# Altium PCB PCB1.PcbDoc (part 1 of 2)
Units mm, origin at the board's own origin, x right, y up, seen from the top; angles counter-clockwise.
Board outline 100 x 60 mm, 2 copper layers (Top Layer, Bottom Layer), stack 1.271 mm thick; 133 components, 105 nets, 458 pads, 250 vias.
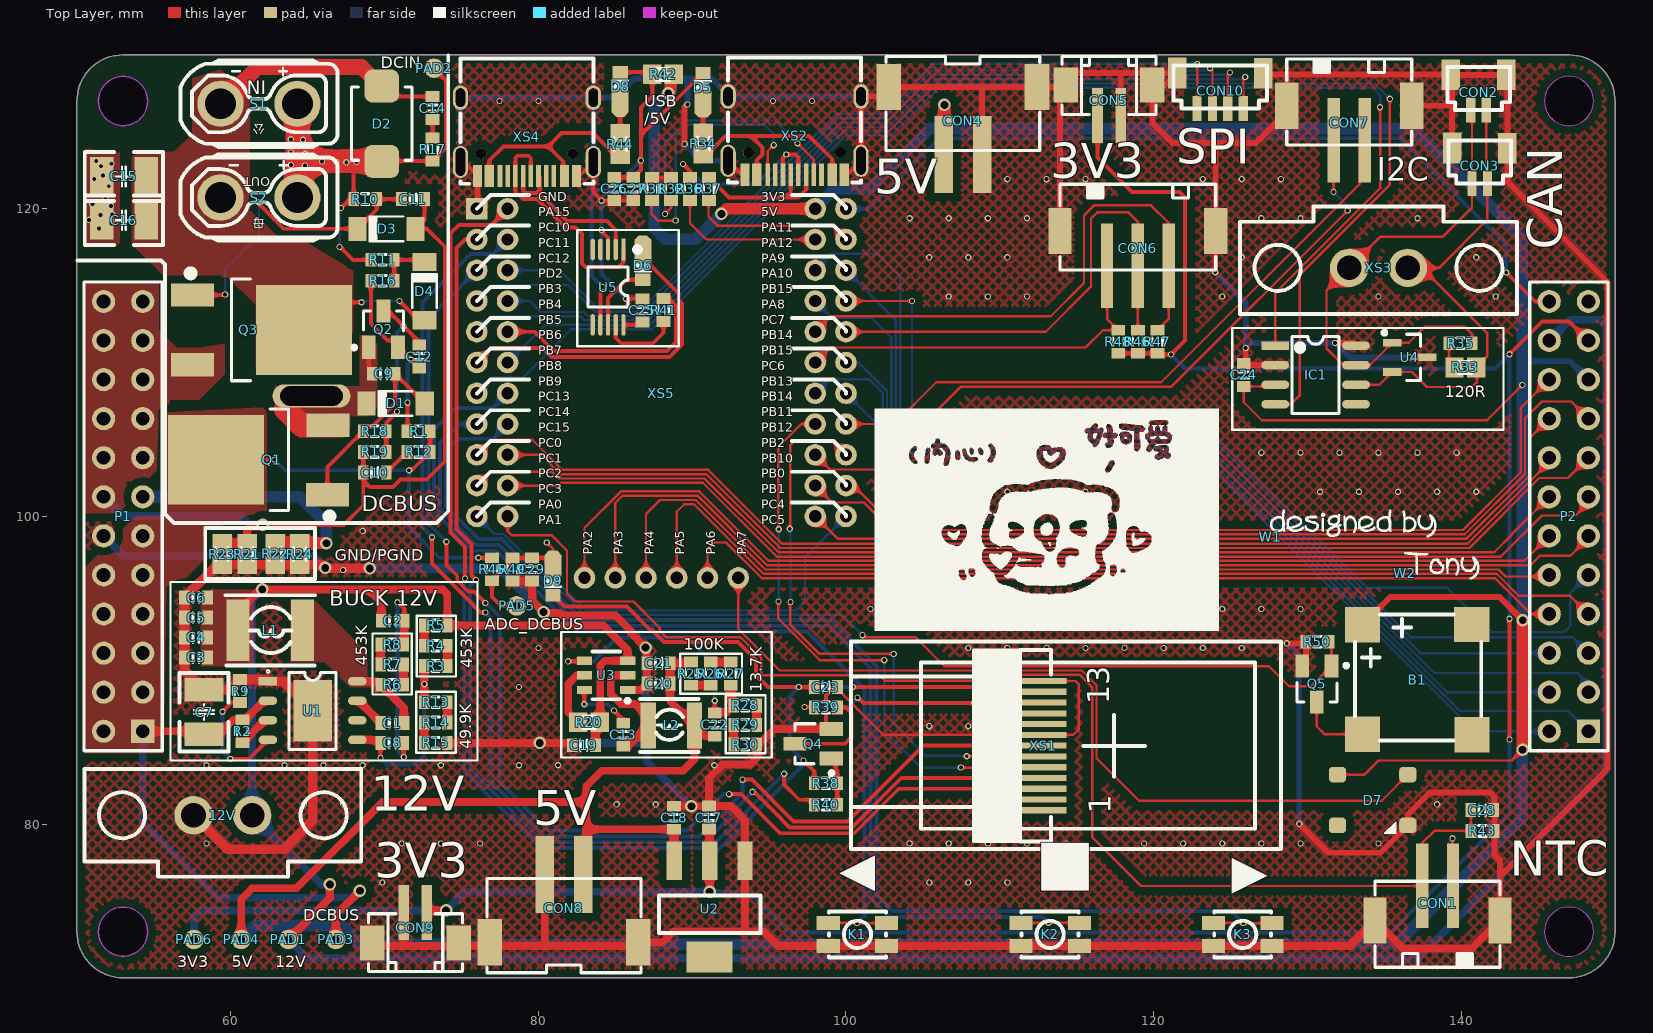
[diagram p0: Top Layer view]
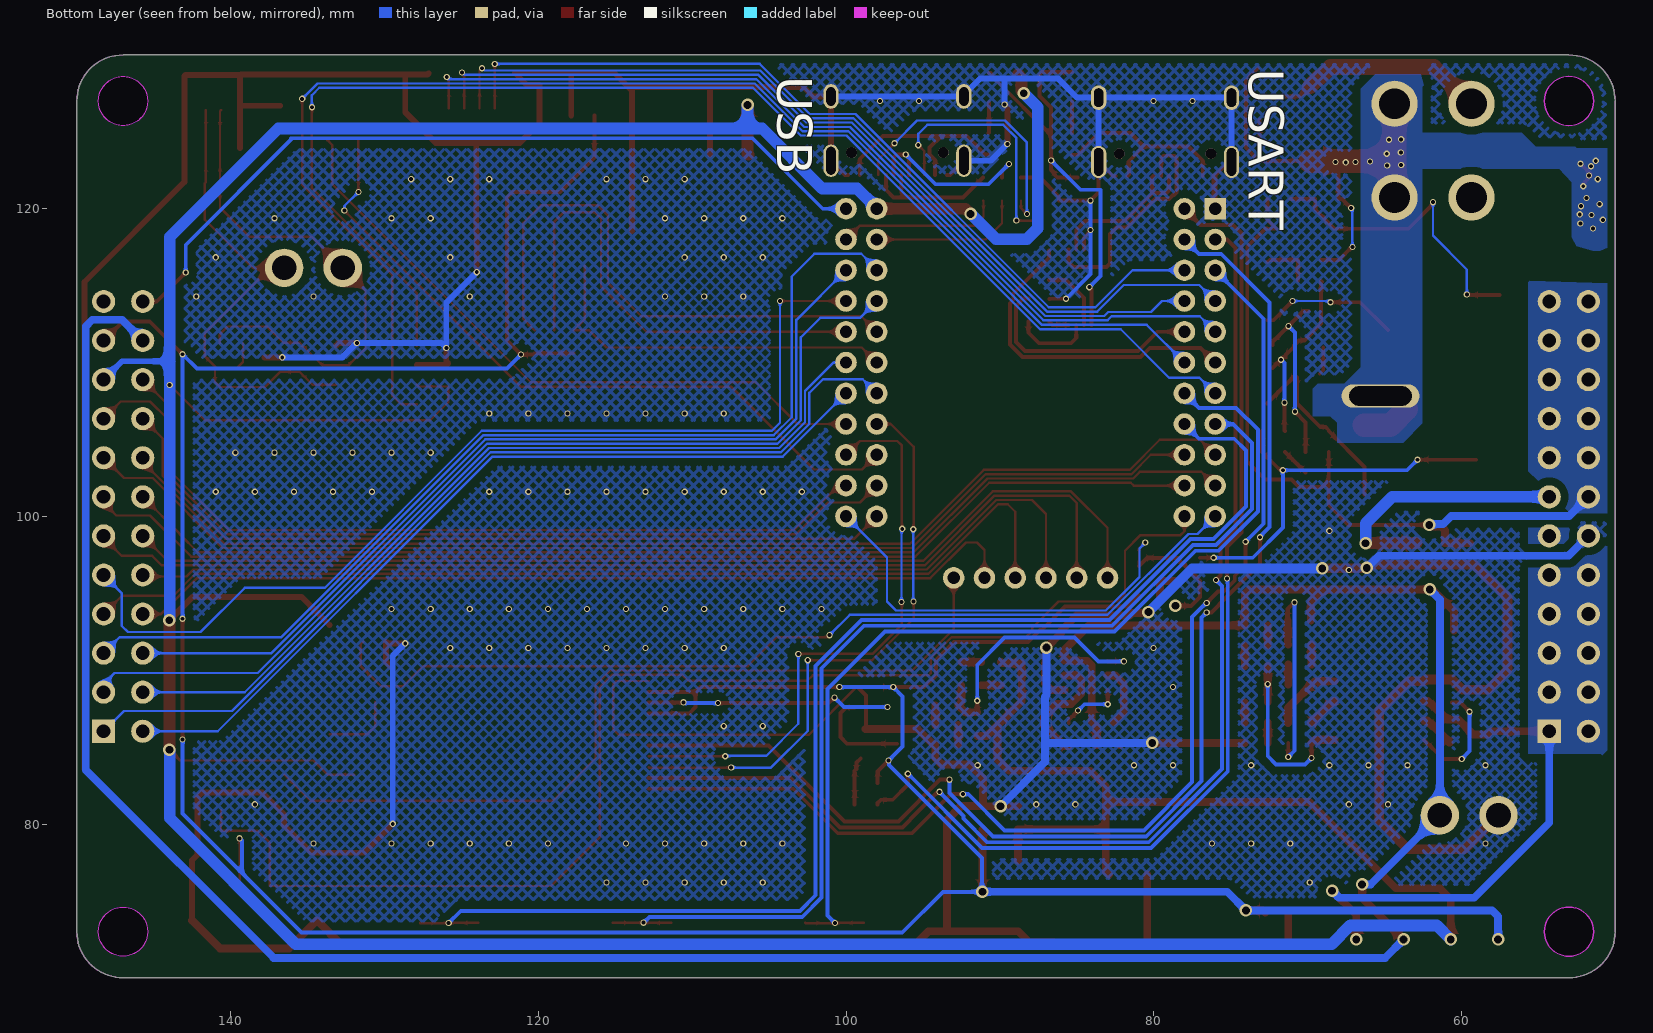
[diagram p1: Bottom Layer view, seen from below]

## Layer stack, top to bottom
Top Solder: solder mask 0.0102, Solder Resist, Dk 3.5
Top Layer: signal copper 0.0356
Dielectric 1: dielectric 1.2, FR-4, Dk 4.8
Bottom Layer: signal copper 0.0356
Bottom Solder: solder mask 0.0102, Solder Resist, Dk 3.5

## Board outline
50,73 50,127 cw(c53,127) 53,130 147,130 cw(c147,127) 150,127 150,73 cw(c147,73) 147,70 53,70 cw(c53,73)
cut-out: 145.4,73 ccw(c147,73) 147,71.4 ccw(c147,73) 148.6,73 ccw(c147,73) 147,74.6 ccw(c147,73)
cut-out: 145.4,127 ccw(c147,127) 147,125.4 ccw(c147,127) 148.6,127 ccw(c147,127) 147,128.6 ccw(c147,127)
cut-out: 53,71.4 cw(c53,73) 51.4,73 cw(c53,73) 53,74.6 cw(c53,73) 54.6,73 cw(c53,73)
cut-out: 53,125.4 cw(c53,127) 51.4,127 cw(c53,127) 53,128.6 cw(c53,127) 54.6,127 cw(c53,127)

## Design rules (kind name [scope] priority, off if disabled: settings)
Clearance Polygon [InPolygon] p1: gap=0.508 ignorepadtopadclearanceinfootprint=TRUE
Clearance [All] p2: gap=0.127 ignorepadtopadclearanceinfootprint=TRUE
ComponentClearance [All] p1: gap=0.254 collisioncheckmode=3 verticalgap=-0.508 showdistances=FALSE
PlaneConnect [All] p1: planeconnectstyle=Direct reliefexpansion=0.508 reliefentries=4 reliefconductorwidth=0.254 reliefairgap=0.254
PolygonConnect [All] p1: connectstyle=Direct reliefconductorwidth=0.254 reliefentries=4 polygonreliefangle="90 Angle" airgapwidth=0.254
RoutingVias [All] p1: holewidth=0.254 width=0.406 viastyle="Through Hole" minholewidth=0.254 minwidth=0.406 maxholewidth=0.711 maxwidth=1.27
SolderMaskExpansion [All] p1: expansion=0.102 istentingtop=FALSE
Width [All] p1: maxlimit=2.54 minlimit=0.102 preferedwidth=0.381
28 further rules are at their usual default settings.

## Components (designator, comment, footprint, x,y, rotation, side; value= is the part's Value field where it differs from the comment)
12V "HDR-1X2" 15EDGVM-2P 59.487,80.569 r180 top
B1 "MLT_8530" BEEP-8530 136.474,89.611 r0 top locked
C1 "2.2nF" CAP_0603 70.51,86.182 r180 top
C2 "3.3nF" CAP_0603 70.536,93.599 r0 top
C3 "106" CAP_0603 57.746,90.449 r180 top
C4 "106" CAP_0603 57.746,91.745 r180 top
C5 "106" CAP_0603 57.746,93.04 r180 top
C6 "106" CAP_0603 57.746,94.336 r180 top
C7 "1210-10uF" CAP_1210_L 58.268,87.274 r270 top
C8 "56pF" CAP_0603 70.497,84.887 r180 top
C9 "104" CAP_0603 69.952,108.89 r180 top
C10 "103" CAP_0603 69.367,103.226 r0 top
C11 "104" CAP_0603 71.857,120.244 r180 top
C12 "104" CAP_0603 72.641,110.388 r270 top
C13 "103" CAP_0603 85.903,85.801 r270 top
C14 "103" CAP_0603 73.508,126.543 r270 top
C15 "1210-10uF" CAP_1210_L 53.061,122.098 r180 top
C16 "1210-10uF" CAP_1210_L 53.061,119.253 r180 top
C17 "22uF" CAP_0603 91.465,80.416 r270 top
C18 "106" CAP_0603 89.205,80.404 r270 top
C19 "106" CAP_0603 82.956,85.496 r0 top
C20 "22uF" CAP_0603 87.821,88.748 r180 top
C21 "22uF" CAP_0603 87.821,90.068 r180 top
C22 "47pF" CAP_0603 91.846,86.462 r270 top
C23 "104" CAP_0603 98.691,88.519 r180 top
C24 "104" CAP_0603 125.476,109.195 r90 top
C25 "104" CAP_0603 86.385,113.386 r90 top
C26 "104" CAP_0603 84.557,121.285 r90 top
C27 "106" CAP_0603 85.786,121.285 r90 top
C28 "102" CAP_0603 141.363,80.518 r180 top
C29 "102" CAP_0603 79.197,96.545 r90 top
CON1 "NTC0" PH2.0-LS-2P 138.455,73.482 r180 top
CON2 "SH1.0_2" "SH1.0 LS 2P" 141.122,126.416 r0 top
CON3 "SH1.0_2" "SH1.0 LS 2P" 141.199,121.641 r0 top
CON4 "5V" XH2.54-LS-2P 107.594,126.898 r0 top
CON5 "3V3" ZH1.5-LS-2P 117.094,128.041 r0 top
CON6 "ENCODER" PH2.0-LS-3P 118.974,118.796 r0 top
CON7 "IIC" PH2.0-LS-2P 132.715,126.949 r0 top
CON8 "5V" XH2.54-LS-2P 81.661,73.33 r180 top
CON9 "3V3" ZH1.5-LS-2P 72.009,72.263 r180 top
CON10 "SPI" "SH1.0 LS 4P" 123.325,126.517 r0 top
D1 "ZMM12V" LL-34 72.619,107.34 r0 top
D2 "SMBJ28CA" SMB(DO-211AA) 69.825,125.527 r270 top
D3 "ZMM12V" LL-34 72.022,118.694 r0 top
D4 "ZMM33V" LL-34 72.593,112.751 r270 top
D5 "ss14" SOD-323 90.703,128.824 r270 top
D6 "ss14" SOD-323 86.792,115.372 r90 top
D7 "RGB" LED_5050_WS2812B 134.239,81.559 r0 top
D8 "ss14" SOD-323 85.319,128.875 r270 top
D9 "ss14" SOD-323 80.95,94.869 r90 top
IC1 "TJA1050-CAN1" SOP8_N 130.531,109.195 r0 top
K1 "TS1185/EC" TS-1185EC-X-X-X 100.762,72.847 r0 top
K2 "TS1185/EC" TS-1185EC-X-X-X 113.284,72.847 r0 top
K3 "TS1185/EC" TS-1185EC-X-X-X 125.806,72.847 r0 top
L1 "68uH" NR4030 64.677,92.583 r180 top
L2 "10uH" NR3015 90.147,86.411 r180 top
P1 "Header 12X2" HDR2X12 54.28,86.03 r90 top
P2 "Header 12X2" HDR2X12 148.26,86.03 r90 top
PAD1 "12V" PAD-1 63.754,72.492 r90 top
PAD2 "DCBUS_IN" PAD-1 73.203,129.134 r90 top
PAD3 "DCBUS" PAD-1 66.827,72.492 r90 top
PAD4 "5V" PAD-1 60.681,72.492 r90 top
PAD5 "ADC-DCBUS" PAD-1 78.588,94.183 r90 top
PAD6 "3V3" PAD-1 57.607,72.492 r90 top
Q1 "NCE60P50K" TO252-2 63.246,103.683 r90 top
Q2 "FMMT593" SOT23 69.926,112.166 r0 top
Q3 "NCE6080K" TO252-2 60.57,112.116 r270 top locked
Q4 "SS8050" SOT23 97.866,85.217 r90 top
Q5 "SS8050" SOT23 130.607,89.103 r180 top
R1 "1.5M" RES_0603 72.212,105.156 r180 top
R2 "100K" RES_0603 60.376,86.03 r90 top
R3 "453K/3" RES_0603 73.33,90.642 r0 top
R4 "453k/3" RES_0603 73.33,91.206 r180 top
R5 "453K/3" RES_0603 73.33,93.294 r0 top
R6 "453K/3" RES_0603 70.497,88.671 r180 top
R7 "453K/3" RES_0603 70.497,90.754 r0 top
R8 "453K/3" RES_0603 70.497,91.288 r180 top
R9 "100K" RES_0603 60.223,88.646 r90 top
R10 "100K" RES_0603 68.744,120.244 r180 top
R11 "100K" RES_0603 69.875,116.297 r180 top
R12 "22R" RES_0603 72.212,104.572 r0 top
R13 "49.9K/3" RES_0603 73.33,87.539 r180 top
R14 "49.9K/3" RES_0603 73.33,86.975 r0 top
R15 "49.9K/3" RES_0603 73.33,84.887 r180 top
R16 "1K" RES_0603 69.875,115.697 r0 top
R17 "22R" RES_0603 73.508,123.85 r270 top
R18 "1K" RES_0603 69.367,105.156 r180 top
R19 "1K" RES_0603 69.367,104.572 r0 top
R20 "0R" RES_0805-SHORT 83.287,86.614 r0 top
R21 "0R" RES_0805-SHORT 61.062,97.547 r270 top
R22 "0R" RES_0805-SHORT 62.89,97.561 r90 top
R23 "0R" RES_0805-SHORT 59.436,97.547 r270 top
R24 "0R" RES_0805-SHORT 64.491,97.547 r90 top
R25 "100K/3" RES_0603 89.535,89.776 r90 top
R26 "100K/3" RES_0603 91.592,89.776 r270 top
R27 "100K/3" RES_0603 92.126,89.776 r90 top
R28 "13.7K/3" RES_0603 93.447,87.325 r180 top
R29 "13.7K/3" RES_0603 93.447,86.817 r0 top
R30 "13.7K/3" RES_0603 93.447,84.785 r180 top
R31 "5K1" RES_0603 87.015,121.285 r90 top
R32 "5K1" RES_0603 88.245,121.285 r90 top
R33 "0R" RES_0805-SHORT 140.259,109.677 r0 top
R34 "0R" RES_0805-SHORT 90.729,124.231 r90 top
R35 "120R" RES_0603 139.954,111.633 r0 top
R36 "22R" RES_0603 89.474,121.285 r90 top
R37 "22R" RES_0603 90.703,121.285 r90 top
R38 "10K" RES_0603 98.691,83.033 r0 top
R39 "10" RES_0603 98.691,87.96 r0 top
R40 "1K" RES_0603 98.691,80.874 r180 top
R41 "330R" RES_0603 87.757,113.411 r90 top
R42 "0R" RES_0805-SHORT 88.113,128.727 r180 top
R43 "10K" RES_0603 141.376,79.934 r0 top
R44 "0R" RES_0805-SHORT 85.319,124.206 r90 top
R45 "30K" RES_0603 76.606,96.559 r90 top
R46 "10K" RES_0603 118.593,111.354 r90 top
R47 "10K" RES_0603 119.863,111.354 r90 top
R48 "10K" RES_0603 117.323,111.354 r90 top
R49 "2K" RES_0603 77.927,96.545 r90 top
R50 "10K" RES_0603 130.644,92.227 r0 top
S1 "XT30UPB" XT30UPB-M 64.338,126.822 r270 top
S2 "XT30UPB" XT30UPB-F 64.084,120.98 r270 top
U1 "LM5164" SOP-8 62.429,89.281 r0 top
U2 "AMS1117-3V3" SOT223 91.135,71.36 r180 top
U3 "TPS54302" SOT23-6 85.801,88.712 r180 top
U4 "PESD1CAN" SOT23-3 135.509,111.288 r90 top
U5 "CH340E" MSOP10 85.515,117.361 r270 top
W1 "设计于" "designed by（430-70）" 127.584,98.679 r0 top
W2 "Tony" Tony_2(200-70) 136.322,96.317 r0 top
XS1 "0.96lcd-13p-160X80" "LCD 0.96-13p" 112.827,80.893 r0 top
XS2 "USB-Type-C" TypeC-304-16BCP 92.335,123.117 r180 top
XS3 "HDR-1X2" 15EDGVM-2P 134.62,116.154 r0 top
XS4 "CH340-Type-C" TypeC-304-16BCP 74.936,123.041 r180 top locked
XS5 "STM32F405RGT6 V1_1 座子" "STM32F405RGT6 V1_1座子" 88,112.5 r0 top locked

## Footprints (in the part's own frame and the unit in brackets; to place one, negate y for a bottom-side part, rotate by r counter-clockwise, add the part's x,y. Pads: shape width x height; smd on the part's side, far side on the other; paste and mask are expansions set on the pad)
15EDGVM-2P [mm] "螺丝紧固端子，间距3.81mm"
  round 2.5 hole 1.6: 1(-1.905,0) 2(1.905,0)
  silkscreen extent -9,-3 9,4, body extent -9,-2.88 9,4.12, height 9.2
BEEP-8530 [mm]
  rect 2.3x2.3 smd: 0(4.194,3.358) 0(4.224,-3.803) 1(-2.895,3.332) 2(-2.897,-3.77)
  silkscreen extent -3.38,-4.19 4.82,4.01, body extent -3.54,-4.35 4.96,4.15, height 3
CAP_0603 [mm]
  rect 0.7x0.9 smd: 1(-0.75,-0.381) 2(0.75,-0.381)
  silkscreen extent -0.2,-0.71 0.2,-0.05, body extent -0.8,-0.78 0.8,0.02, height 0.8
CAP_1210_L [mm] "无极性贴片电容"
  rect 1.524x2.54 smd: 1(-1.45,0) 2(1.45,0)
  silkscreen extent -2.55,-1.6 2.55,1.6, body extent -1.6,-1.29 1.6,1.29, height 1.54
"designed by（430-70）" [mm]
  silkscreen extent 0,0 10.79,1.75
HDR2X12 [mm] "Connector; Header; 12x2 Position"
  rect 1.5x1.5 hole 0.9: 1(0,0)
  round 1.5 hole 0.9: 2(0,2.54) 3(2.54,0) 4(2.54,2.54) 5(5.08,0) 6(5.08,2.54) 7(7.62,0) 8(7.62,2.54) 9(10.16,0) 10(10.16,2.54) 11(12.7,0) 12(12.7,2.54) 13(15.24,0) 14(15.24,2.54) 15(17.78,0) 16(17.78,2.54) 17(20.32,0) 18(20.32,2.54) 19(22.86,0) 20(22.86,2.54) 21(25.4,0) 22(25.4,2.54) 23(27.94,0) 24(27.94,2.54)
  silkscreen extent -1.27,-1.27 29.21,3.81
"LCD 0.96-13p" [mm]
  rect 3x0.4 smd paste+0 mask+0.102: 1(0,0) 2(0,0.7) 3(0,1.4) 4(0,2.1) 5(0,2.8) 6(0,3.5) 7(0,4.2) 8(0,4.9) 9(0,5.6) 10(0,6.3) 11(0,7) 12(0,7.7) 13(0,8.4)
  silkscreen extent -12.5,-2.53 15.45,10.97, body extent -12.55,-2.53 15.45,10.97, height 1.5
LED_5050_WS2812B [mil]
  rrect50% 44x40 smd: 1(-90,65) 2(-90,-65) 3(90,-65) 4(90,65)
  silkscreen extent 30,-85 60,-55, body extent -106,-98 106,98, height 31
LL-34 [mm]
  rect 1.185x1.566 smd: 1(0,0) 2(-3.785,0)
  silkscreen extent -2.99,-0.8 -0.8,0.8, body extent -3.76,-0.8 -0.06,0.8, height 1.6
MSOP10 [mm]
  rect 1.4x0.28 smd: 1(0.013,0.016)
  oval 1.4x0.28 smd: 2(0.013,-0.484) 3(0.013,-0.984) 4(0.013,-1.484) 5(0.013,-1.984) 6(4.913,-1.984) 7(4.913,-1.484) 8(4.913,-0.984) 9(4.913,-0.484) 10(4.913,0.016)
  silkscreen extent -0.14,-2.28 3.76,1.09, body extent 0.01,-2.48 4.91,0.52, height 0.95
NR3015 [mm] "3.2*3.2*1.5mm"
  rect 1x3 smd: 1(0,0) 2(3,0)
  silkscreen extent -0.28,-1.73 3.53,1.73, body extent -0.01,-1.51 3.02,1.51, height 1.5
NR4030 [mm] "4.3*4.3*3.0mm"
  rect 1.5x4 smd: 1(0,0) 2(4.2,0)
  silkscreen extent -0.81,-2.29 5,2.29, body extent -0.09,-2.1 4.21,2.2, height 3
PAD-1 [mm] "50mil单点焊盘"
  round 1.27 smd: 1(0,0)
PH2.0-LS-2P [mm] "长：8mm，宽：5.5mm，高：6.1mm"
  rect 1.5x3 smd: 0(-4.064,-0.254) 0(4.064,-0.254)
  rect 0.8x5.5 smd: 1(-1,-2.492) 2(1,-2.492)
  silkscreen extent -4.06,-2.79 4.06,2.79, body extent -4,-5.05 4,2.75, height 6.15
PH2.0-LS-3P [mm] "长：10mm，宽：5.5mm，高：6.1mm"
  rect 1.5x3 smd: 0(-5.064,-0.254) 0(5.064,-0.254)
  rect 0.8x5.5 smd: 1(-2,-2.492) 2(0,-2.492) 3(2,-2.492)
  silkscreen extent -5.06,-2.79 5.06,2.79, body extent -5,-5.05 5,2.75, height 6.15
RES_0603 [mm]
  rect 0.7x0.9 smd: 1(-0.75,-0.381) 2(0.75,-0.381)
  silkscreen extent -0.25,-0.73 0.25,-0.03, body extent -0.8,-0.78 0.8,0.02, height 0.45
RES_0805-SHORT [mm]
  rect 1.2x1.27 smd: 1(-0.7,0) 2(0.7,0)
  silkscreen extent -0.43,-0.4 0.43,0.4, body extent -0.98,-0.62 1.02,0.62, height 0.37
"SH1.0 LS 2P" [mm] "SH1.0 接插件 立式"
  rect 1.2x2 smd: 0(-1.8,2.3) 0(1.8,2.286)
  rect 0.6x1.6 smd: 1(-0.5,0) 2(0.5,0)
  silkscreen extent -2.03,0 2.03,2.79, body extent -2,-0.51 2,3.09, height 4.25
"SH1.0 LS 4P" [mm] "SH1.0 接插件 立式"
  rect 1.2x2 smd: 0(-1.8,2.3) 0(3.8,2.286)
  rect 0.6x1.6 smd: 1(-0.5,0) 2(0.5,0) 3(1.5,0) 4(2.5,0)
  silkscreen extent -2.03,0 4.03,2.79, body extent -2.01,-0.5 3.99,3.1, height 4.25
SMB(DO-211AA) [mm]
  rrect50% 2.16x2.26 smd paste+0 mask+0: 1(-2.45,0) 2(2.45,0)
  silkscreen extent -2.37,-1.97 2.37,1.97, body extent -2.7,-1.81 2.7,1.81, height 2.62
SOD-323 [mm] "1.8x1.3X0.9mm（长宽高，不包括引脚）"
  oct 2x1.1 smd: 1(1.9,0)
  rect 0.8x1 smd: 2(0,0)
  silkscreen extent 0.55,-0.51 0.95,0.51, body extent -0.15,-0.67 2.5,0.62, height 1
SOP8_N [mm] "5*6*1.8mm（长宽高）"
  rect 1.8x0.55 smd: 1(-2.625,1.905)
  oval 1.8x0.55 smd: 2(-2.625,0.635) 3(-2.625,-0.635) 4(-2.625,-1.905) 5(2.625,-1.905) 6(2.625,-0.635) 7(2.625,0.635) 8(2.625,1.905)
  silkscreen extent -1.52,-2.5 1.52,2.5, body extent -3,-2.5 3,2.5, height 1.9
SOP-8 [mm]
  rect 1.2x0.55 smd: 1(-0.009,0)
  oval 1.2x0.55 smd: 2(-0.009,-1.27) 3(-0.009,-2.54) 4(-0.009,-3.81) 5(5.8,-3.81) 6(5.8,-2.54) 7(5.8,-1.27) 8(5.8,0)
  rect 2.5x4 smd: 9(2.9,-1.905)
  silkscreen extent -0.1,-4.44 4.42,0.73, body extent -0.1,-4.41 5.9,0.59, height 1.9
SOT23 [mm]
  rect 0.9x1.5 smd: 1(-0.95,-1.175) 2(0.95,-1.175) 3(0,1.175)
  silkscreen extent -2.03,-1.32 1.3,1.18, body extent -1.55,-1.2 1.45,1.3, height 1.05
SOT23-3 [mm]
  rect 0.5x1.2 smd: 1(0,0) 2(-1.9,0) 3(-0.95,-2.286)
  silkscreen extent -2.45,-1.84 0.77,0.63, body extent -2.45,-2.34 0.55,0.06, height 1.05
SOT23-6 [mm]
  rect 1x0.55 smd: 1(0,0) 2(0,-0.95) 3(0,-1.9) 4(2.8,-1.9) 5(2.8,-0.95) 6(2.8,0)
  silkscreen extent -0.12,-2.5 2.3,0.83, body extent 0.13,-2.36 2.55,0.43, height 1.09
SOT223 [mm]
  rect 1x2.5 smd: 1(-2.3,-6.262) 2(0,-6.262) 3(2.3,-6.262)
  rect 3x2 smd: ""(0,0)
  silkscreen extent -3.3,-3.99 3.3,-1.55, body extent -3.25,-6.53 3.25,0.43, height 1.7
"STM32F405RGT6 V1_1座子" [mm] "PH2.0 版本"
  rect 1.4x1.4 hole 0.8: 1(-12,7.5)
  round 1.4 hole 0.8: 2(-10,7.5) 3(-12,5.5) 4(-10,5.5) 5(-12,3.5) 6(-10,3.5) 7(-12,1.5) 8(-10,1.5) 9(-12,-0.5) 10(-10,-0.5) 11(-12,-2.5) 12(-10,-2.5) 13(-12,-4.5) 14(-10,-4.5) 15(-12,-6.5) 16(-10,-6.5) 17(-12,-8.5) 18(-10,-8.5) 19(-12,-10.5) 20(-10,-10.5) 21(-12,-12.5) 22(-10,-12.5) 23(-5,-16.5) 24(-3,-16.5) 25(-1,-16.5) 26(1,-16.5) 27(3,-16.5) 28(5,-16.5) 29(12,-12.5) 30(10,-12.5) 31(12,-10.5) 32(10,-10.5) 33(12,-8.5) 34(10,-8.5) 35(12,-6.5) 36(10,-6.5) 37(12,-4.5) 38(10,-4.5) 39(12,-2.5) 40(10,-2.5) 41(12,-0.5) 42(10,-0.5) 43(12,1.5) 44(10,1.5) 45(12,3.5) 46(10,3.5) 47(12,5.5) 48(10,5.5) 49(12,7.5) 50(10,7.5)
  silkscreen extent -12,-12.5 12,8.4, body extent -13.3,-17.8 13.2,8.5, height 4.3
TO252-2 [mil] "252晶体管"
  rect 60x110 smd: 1(-89.55,-119.77) 3(88.45,-120.77)
  rect 230x245 smd: 2(0,165.35)
  silkscreen extent -153,-133 130,28, body extent -128,-120 128,251, height 91
Tony_2(200-70) [mm]
  silkscreen extent -0.03,-0.38 4.85,1.35
TS-1185EC-X-X-X [mm] "3*4*2 4PIN立贴按键"
  rect 1.5x0.9 smd: 1(-1.917,0.726) 1(1.883,0.726) 2(-1.917,-0.774) 2(1.883,-0.774)
  silkscreen extent -1.87,-1.52 1.83,1.48, body extent -2.36,-1.57 2.29,1.43, height 2
TypeC-304-16BCP [mm]
  oval 1x2.1 hole 0.6 slot 1.8 at 90 deg: 13(-8.64,0) 14(0,0)
  oval 1x1.6 hole 0.6 slot 1.2 at 90 deg: 15(-8.64,-4.18) 16(0,-4.18)
  rect 0.6x1.45 smd: A1B12(-7.545,0.915) A4B9(-6.77,0.915) B1A12(-1.1,0.915) B4A9(-1.87,0.915)
  rect 0.3x1.45 smd: A5(-5.57,0.914) A6(-4.57,0.915) A7(-4.07,0.915) A8(-3.07,0.915) B5(-2.57,0.915) B6(-3.57,0.915) B7(-5.07,0.915) B8(-6.07,0.915)
  round 0.7 hole 0.7 unplated: ""(-7.3,-0.53) ""(-1.34,-0.53)
  silkscreen extent -8.64,-6.71 0,1.42, body extent -8.77,-6.9 0.17,1, height 3.11
XH2.54-LS-2P [mm] "长：10mm，宽：6mm，高：8.3mm    淘宝ID:黄晶宝石   店铺网址:https://shop463601444.taobao.com"
  rect 1.6x3 smd: 0(-4.826,1.016) 0(4.826,1.016)
  rect 1.2x5 smd: 1(-1.25,-3.383) 2(1.25,-3.383)
  silkscreen extent -5,-3.13 5,3, body extent -5,-6 5,3, height 8
XT30UPB-F [mm] "电源输出"
  round 3 hole 2: 1(0.254,0.254) 2(0.254,-4.746)
  silkscreen extent -2.55,-7.35 3.05,2.85, body extent -2.31,-7.41 2.89,2.79, height 9.6
XT30UPB-M [mm] "电源输入"
  round 3 hole 2: 1(0,0) 2(0,-5)
  silkscreen extent -2.8,-7.6 2.8,2.6, body extent -2.71,-7.71 2.59,2.69, height 12.6
ZH1.5-LS-2P [mm] "长：6.0mm，宽：3.7mm，高：5.0mm"
  rect 1.6x2.3 smd: 0(-2.816,0) 0(2.82,0)
  rect 0.7x3.6 smd: 1(-0.736,-1.981) 2(0.764,-1.981)
  silkscreen extent -3.05,-1.91 3.05,1.85, body extent -3.05,-3.35 3.05,1.85, height 5.05

## Part data
12V XS3: library part "Header 2", "2P接插件", BOM名称=2P接插件, 学习资源=www.ooocke.com, 版权归属=源创客
B1: library part Beep
C1 C2 C3 C4 C5 C6 C7 C8 C9 C10 C11 C12 C13 C14 C15 C16 C17 C18 C19 C20 C21 C22 C23 C24 C25 C26 C27 C28 C29: library part cap
CON1 CON7: library part PH2.0_2, "PH2.0_2 座子"
CON2 CON3: "SH1.0 座子"
CON4 CON8: library part XH2.54_2, "XH2.54_2 座子"
CON5 CON9: library part ZH1.5_2, "ZH1.5_2 座子"
CON6: library part PH2.0_3, "PH2.0 座子"
CON10: library part SH1.0_4, "SH1.0 座子"
D1 D3 D4: library part ZD, "Zener Diodes 稳压二极管"
D2: library part TVS, "瞬态电压抑制二极管(TVS) 钳位二极管"
D5 D6 D8 D9: library part Diode
D7: library part RGB_4WIC, "LED", Type=5050
IC1: library part TJA1050, "CAN总线收发芯片", BOM名称=CAN总线收发芯片, 学习资源=www.ooocke.com, 版权归属=源创客
K1 K2 K3: library part Button-LT-3040, "3*4*2 立贴轻触开关 2Pin/4Pin"
L1 L2: library part INDUCTOR
P1 P2: "Header, 12-Pin, Dual row", LatestRevisionDate=17-Jul-2002, LatestRevisionNote="Re-released for DXP Platform.", Publisher="Altium Limited"
PAD1 PAD2 PAD3 PAD4 PAD5 PAD6: library part PAD, "50mil单点焊盘，用于测试"
Q1: library part PMOS, "N沟道MOSFIT / -NCE60P50K-TO252-2"
Q2: library part PNP
Q3: library part NMOS, "N沟道MOSFIT / -NCE6080K-TO252-2"
Q4 Q5: library part NPN
R1 R2 R3 R4 R5 R6 R7 R8 R9 R10 R11 R12 R13 R14 R15 R16 R17 R18 R19 R25 R26 R27 R28 R29 R30 R31 R32 R35 R36 R37 R38 R39 R40 R41 R43 R45 R46 R47 R48 R49 R50: library part Res
R20 R21 R22 R23 R24 R33 R34 R42 R44: library part Res-SHORT
S1 S2: "XT30UPB-I/O"
U1: "DC-DC芯片", Package=SOP-8_EP_150mil, SuppliersPartNumber=C9864, ComponentLink1Description=供应商链接, ComponentLink1URL=http://www.szlcsc.com/product/details_10396.html, Supplier=LC
U2: library part AMS1117
U3: "12V稳压5VDCDC"
U4: "CAN过压保护,放于外部接口端"
U5: "USB转串口 无外置晶振"
XS1: library part 0.96lcd-13p, "焊接屏幕"
XS2 XS4: library part Type-C母口

## Free pads (board coordinates)
  oval 5.08x1.524 hole 1.27 slot 4.064 at 0 deg: 2(65.253,107.823)

## Via types
v1: diameter 0.406, hole 0.254, Top Layer to Bottom Layer, 227 vias
v2: diameter 0.813, hole 0.508, Top Layer to Bottom Layer, 23 vias

## Nets (pads, with @x,y where several pads share a name; then routed paths per layer and width w, separated by ;. In a path a pad name is that pad's centre, name@x,y a point inside that pad or via, vN(x,y) a via of type N, cw(c..) or ccw(c..) an arc to the next point about the centre after c; other vN are vias at no path point)
3V3: C17.2 C23.2 CON1.1 CON5.1 CON9.1 D9.2 P2.21 PAD6.1 R38.1 R46.1 R47.1 R48.1 U2.2 XS1.10 XS1.12 | length 244.1
  Top Layer w0.152: v1(139.421,79.07) 139.421,76.009 CON1.1@139.455,75.974
  Top Layer w0.254: D9.2@80.95,94.869 81.686,94.132 85.75,94.132 87.274,92.608 87.376,92.608 88.163,91.821 92.989,91.821 94.158,90.653 94.158,89.662 94.92,88.9 v1(96.926,88.9) C23.2@97.941,88.9 ; v1(97.231,84.125) 97.941,83.415 R38.1@97.941,82.652 ; v1(100.432,88.9) 109.474,88.9 109.781,88.593 ; XS1.10@112.827,87.193 110.191,87.193 109.781,87.602 109.781,88.593 ; XS1.12@112.827,88.593 109.781,88.593 ; CON5.1@116.358,126.06 116.358,123.316 118.593,121.082 121.691,121.082 122.047,120.726 122.047,111.43 v1(121.133,110.515) 120.332,110.515 R47.1@120.244,110.604 R46.1@118.974,110.604 R48.1@117.704,110.604 ; v1(143.129,85.496) v1(143.129,93.345) ; v1(143.129,110.541) 145.263,112.674 147.015,112.674 P2.21@148.26,111.43
  Top Layer w0.508: CON9.1@72.745,74.244 72.882,74.381 v2(74,74.381) ; C17.2@91.084,79.666 91.135,79.616 U2.2@91.135,77.622 v2(91.135,75.59) v2@91.11,75.565
  Bottom Layer w0.254: v1(100.432,88.9) v1(96.926,88.9) 96.317,88.29 96.317,85.039 v1(97.231,84.125) 97.202,84.096 97.202,83.842 91.161,77.8 91.161,75.616 v2(91.135,75.59) 93.701,75.59 96.342,72.949 135.407,72.949 139.268,76.81 ; v1(121.133,110.515) 122.047,109.601 142.189,109.601 v1(143.129,110.541) v1(143.129,93.345) ; v1@139.395,79.07 139.268,78.943 139.268,76.81 ; v1(143.129,85.496) 143.129,80.67 139.268,76.81
  Bottom Layer w0.508: v2(57.607,72.492) 57.607,73.99 57.998,74.381 v2(74,74.381) 75.209,75.59 v2(91.135,75.59)
5V: B1.1 C18.2 C20.1 C21.1 C22.2 C24.1 CON4.1 CON8.1 D7.1 IC1.3 L2.1 P2.19 PAD4.1 R25.2 R42.1 U2.3 XS5.50 | length 314.2
  Top Layer w0.152: IC1.3@127.906,108.56 127.791,108.445 C24.1@125.857,108.445 125.857,107.417 127.025,106.248 141.681,106.248 v1(143.967,108.534) ; D7.1@131.953,83.21 133.706,83.21 134.62,84.125 143.281,84.125 v2(143.98,84.823)
  Top Layer w0.381: B1.1@133.579,92.943 135.403,94.767 142.469,94.767 v2(143.993,93.243)
  Top Layer w0.508: v2(60.681,72.492) 60.681,75.108 61.392,75.819 64.262,75.819 69.875,81.432 83.109,81.432 ; CON8.1@82.911,76.713 83.109,76.911 83.109,79.654 ; U2.3@88.835,77.622 88.824,77.634 C18.2@88.824,79.654 83.109,79.654 ; R25.2@89.916,90.526 89.84,90.449 C21.1@88.571,90.449 C20.1@88.571,89.129 88.571,87.987 L2.1@90.147,86.411 ; C22.2@91.465,85.712 90.847,85.712 L2.1@90.147,86.411 ; 83.109,79.654 83.109,81.432 ; 83.109,81.432 83.109,82.448 84.125,83.464 89.408,83.464 90.147,84.204 L2.1@90.147,86.411
  Top Layer w0.762: v2(88.443,127.508) 88.443,127.522 88.594,127.673 88.594,128.508 R42.1@88.813,128.727 ; v2(91.897,119.659) 92.238,120 XS5.50@98,120 ; CON4.1@106.344,123.515 106.401,123.572 v2(106.401,126.746) ; v2(143.98,84.823) 143.98,93.231 v2(143.993,93.243)
  Bottom Layer w0.381: 143.967,110.084 147.066,110.084 P2.19@148.26,108.89
  Bottom Layer w0.762: v2(60.681,72.492) 61.595,73.406 67.206,73.406 68.425,72.187 135.763,72.187 143.967,80.391 v2@143.967,84.811 ; v2(88.443,127.508) 87.528,126.594 87.528,118.72 88.24,118.008 90.246,118.008 v2(91.897,119.659) ; XS5.50@98,120 98,120.047 99.263,121.31 101.549,121.31 105.453,125.215 106.401,125.215 ; v2(106.401,126.746) 106.401,125.215 ; v2(143.993,93.243) 143.967,93.269 v1(143.967,108.534) 143.967,110.084 143.967,118.161 136.913,125.215 106.401,125.215
12V: 12V.1 C2.1 C3.1 C4.1 C5.1 C6.1 C19.2 L1.2 P2.22 PAD1.1 R5.2 R20.2 U3.3 | length 191.4
  Top Layer w0.508: L1.2@60.477,92.583 60.477,93.828 61.9,95.25 68.961,95.25 ; v2(63.754,72.492) 66.446,75.184 v2(66.446,76.073) ; C2.1@69.786,93.218 69.786,94.425 68.961,95.25 ; C19.2@83.706,85.115 83.706,86.334 84.023,86.651 84.023,90.314 84.321,90.612 U3.3@85.801,90.612 85.801,91.313 84.201,92.913 R5.2@74.08,92.913 74.08,94.952 73.782,95.25 68.961,95.25
  Bottom Layer w0.508: v2@62.103,95.301 61.392,94.59 12V.1@61.392,80.569 65.888,76.073 v2(66.446,76.073) ; v2(63.754,72.492) 64.948,71.298 137.211,71.298 149.428,83.515 149.428,112.344 148.996,112.776 147.066,112.776 P2.22@145.72,111.43
  other v2: 62.052,95.25
A3V3: P2.24 XS5.49 | length 53.1
  Top Layer w0.254: v1(142.926,115.849) 144.805,113.97 P2.24@145.72,113.97
  Bottom Layer w0.254: XS5.49@100,120 101.509,120 106.088,124.58 136.068,124.58 136.068,124.511 142.926,117.653 v1(142.926,115.849)
ADC_DCBUS: C29.2 D9.1 PAD5.1 R45.1 R49.2 XS5.29 | length 36.1
  Top Layer w0.152: v1(80.543,98.298) 80.95,97.892 D9.1@80.95,96.769
  Top Layer w0.254: v2(78.588,94.183) 77.572,94.183 76.987,94.767 R45.1@76.987,95.809 78.308,97.13 R49.2@78.308,97.295 C29.2@79.578,97.295 80.423,97.295 D9.1@80.95,96.769
  Bottom Layer w0.152: v1(80.543,98.298) 80.924,97.917 80.924,96.066 83.112,93.878 96.749,93.878 97.333,94.463 97.333,97.333 XS5.29@100,100
AGND: P1.13 R22.2 R24.2 | length 17.3
  Top Layer w0.762: R22.2@62.89,98.261 66.204,98.261 v2(66.218,98.247)
  Bottom Layer w0.762: P1.13@54.28,101.27 64.49,101.27 66.218,99.543 v2(66.218,98.247)
AS_IC_SCL: CON7.1 XS5.34 | length 46.9
  Top Layer w0.152: XS5.34@98,104 98.952,103.048 102.083,103.048 107.467,108.433 121.158,108.433 v1(132.613,119.888) ; v1(131.699,121.082) 131.699,124.441 CON7.1@131.715,124.457
  Bottom Layer w0.152: v1(131.699,121.082) 132.613,120.167 v1(132.613,119.888)
AS_IC_SDA: CON7.2 XS5.35 | length 42.8
  Top Layer w0.152: XS5.35@100,106 103.155,106 105.867,108.712 120.498,108.712 133.395,121.609 133.395,124.137 CON7.2@133.715,124.457
Beep: Q5.1 R50.2 XS5.21 | length 62.3
  Top Layer w0.152: v1(101.067,92.278) 101.194,92.151 104.496,92.151 106.392,90.255 127.499,90.255 128.803,88.951 130.229,88.951 Q5.1@131.557,90.278 131.557,91.684 R50.2@131.394,91.846
  Bottom Layer w0.152: XS5.21@76,100 77.143,98.857 77.739,98.857 82.997,93.599 99.746,93.599 v1(101.067,92.278)
BUTTON_L: K1.1 XS5.14 | length 63.1
  Top Layer w0.152: K1.1@98.845,73.573 100.696,73.573 v1(100.711,73.558) 102.63,73.558 K1.1@102.645,73.573
  Bottom Layer w0.254: XS5.14@78,108 77.046,107.046 74.636,107.046 73.228,105.639 73.228,100.319 75.783,97.765 77.286,97.765 82.544,92.507 97.471,92.507 101.197,88.781 101.197,74.044 v1(100.711,73.558)
BUTTON_M: K2.1 XS5.15 | length 70.4
  Top Layer w0.152: K2.1@111.367,73.573 113.146,73.573 v1(113.157,73.584) 115.156,73.584 K2.1@115.167,73.573
  Bottom Layer w0.254: XS5.15@76,106 74.834,106 73.609,104.775 73.609,100.477 75.941,98.146 77.444,98.146 82.702,92.888 98.837,92.888 101.6,90.125 101.6,75.209 102.845,73.965 112.776,73.965 v1(113.157,73.584)
BUTTON_R: K3.1 XS5.16 | length 84
  Top Layer w0.152: K3.1@123.889,73.573 125.817,73.573 v1(125.832,73.558) 127.674,73.558 K3.1@127.689,73.573
  Bottom Layer w0.254: XS5.16@78,106 77.046,105.046 74.762,105.046 73.99,104.274 73.99,100.635 76.098,98.527 77.602,98.527 82.86,93.269 98.995,93.269 101.981,90.282 101.981,75.367 103.002,74.346 125.044,74.346 v1(125.832,73.558)
CAN1_RX: IC1.4 XS5.12 | length 88.8
  Top Layer w0.152: IC1.4@127.906,107.29 128.93,107.29 129.489,107.848 129.489,115.697 135.357,121.564 v1(135.357,127.141)
  Bottom Layer w0.152: XS5.12@78,110 80.446,112.446 87.266,112.446 89.017,114.197 89.017,114.207 99.846,125.035 102.824,125.035 105.932,128.143 134.355,128.143 v1(135.357,127.141)
CAN1_TX: IC1.1 XS5.13 | length 86.3
  Top Layer w0.152: IC1.1@127.906,111.1 127.906,114.52 134.722,121.336 v1(134.722,126.594)
  Bottom Layer w0.152: XS5.13@76,108 77.017,109.017 78.994,109.017 82.144,112.166 87.382,112.166 99.082,123.866 99.082,123.876 99.962,124.756 102.94,124.756 106.048,127.864 134.239,127.864 134.722,127.381 v1(134.722,126.594)
CAN1H: CON2.1 CON3.1 IC1.7 R35.2 U4.1 XS3.1 | length 33.6
  Top Layer w0.152: CON2.1@140.622,126.416 140.699,126.34 CON3.1@140.699,121.641 140.699,120.074 138.811,118.186 134.747,118.186 XS3.1@132.715,116.154 131.242,114.681 131.242,110.922 132.334,109.83 IC1.7@133.156,109.83 134.051,109.83 U4.1@135.509,111.288 136.586,111.288 137.643,112.344 140.208,112.344 140.704,111.848 R35.2@140.704,111.252
CAN1L: CON2.2 CON3.2 IC1.6 R33.2 U4.2 XS3.2 | length 31.9
  Top Layer w0.152: IC1.6@133.156,108.56 134.681,108.56 U4.2@135.509,109.388 136.789,109.388 137.77,108.407 140.691,108.407 141.021,108.737 141.021,109.615 R33.2@140.959,109.677 141.681,110.4 141.681,111.912 XS3.2@137.439,116.154 ; XS3.2@136.525,116.154 XS3.2@137.439,116.154 ; CON2.2@141.622,126.416 141.622,121.717 CON3.2@141.699,121.641 141.681,121.623 141.681,119.278 138.557,116.154 XS3.2@137.439,116.154
CH340_D+: U5.1 XS4.A6 XS4.B6 | length 15.7
  Top Layer w0.254: XS4.A6@79.506,122.126 79.506,123.313 79.375,123.444 78.638,123.444 78.506,123.312 XS4.B6@78.506,122.126 78.506,121.062 78.664,120.904 78.735,120.904 79.001,120.637 79.902,120.637 81.768,118.77 82.423,118.77 82.829,118.364 82.829,116.434 83.058,116.205 85.217,116.205 85.531,116.519 U5.1@85.531,117.348
CH340_D-: U5.2 XS4.A7 XS4.B7 | length 10.5
  Top Layer w0.254: XS4.A7@79.006,122.126 79.006,121.171 79.159,121.018 79.86,121.018 80.009,121.167 ; XS4.B7@80.006,122.126 80.102,122.03 80.102,121.167 80.102,120.975 81.876,119.202 84.455,119.202 85.031,118.626 U5.2@85.031,117.348
DAC: P2.9 XS5.43 | length 64.6
  Top Layer w0.152: XS5.43@100,114 v1(104.288,114) v1@104.292,113.995
  Bottom Layer w0.152: v1(104.288,114) 104.288,106.083 104.808,105.562 123.681,105.562 133.892,95.352 139.09,95.352 141.961,92.481 146.685,92.481 147.091,92.888 147.091,95.022 P2.9@148.26,96.19
DCBUS: C7.2 P1.1 P1.2 P1.3 P1.4 P1.5 P1.6 P1.7 P1.8 P1.9 P1.10 P1.11 PAD3.1 Q1.2 R1.1 R2.2 R12.2 R45.2 U1.2 | length 61.2
  Top Layer w0.254: Q1.2@59.046,103.683 v1(62.84,103.683) ; v1(71.603,102.997) 71.768,102.997 R12.2@72.962,104.191 R1.1@72.962,105.537 ; v1(76.098,97.307) 76.986,97.307 R45.2@76.987,97.309
  Top Layer w0.508: P1.1@54.28,86.03 58.062,86.03 C7.2@58.268,85.824 59.231,85.824 60.186,86.78 R2.2@60.757,86.78 60.948,86.78 62.179,88.011 U1.2@62.42,88.011 ; v2(66.827,72.492) 66.827,74.092 v2(68.402,75.667)
  Bottom Layer w0.254: v1(62.84,103.683) 63.525,102.997 v1(71.603,102.997) 71.603,99.263 73.558,97.307 v1(76.098,97.307)
  Bottom Layer w0.508: P1.1@54.28,86.03 54.28,80.086 59.157,75.209 67.945,75.209 v2(68.402,75.667)
DCBUS_IN: C9.2 C15.2 C16.2 D1.2 D2.2 PAD2.1 pad.2 Q1.3 Q2.1 R10.2 R11.2 R17.2 S1.1 S2.1 | length 37.1
  Top Layer w0.254: v1(52.07,121.463) 52.07,121.638 C15.2@51.611,122.098 51.611,122.287 v1(52.248,122.924) ; v1@67.056,117.577 67.954,116.678 R11.2@69.125,116.678 ; v1(67.158,120.04) 67.742,120.625 R10.2@67.994,120.625 67.994,122.858 v1(68.174,123.038) ; Q2.1@68.976,110.991 68.976,109.496 C9.2@69.202,109.271 ; D2.2@69.825,123.077 69.848,123.1 R17.2@73.127,123.1 73.99,123.964 73.99,128.346 PAD2.1@73.203,129.134
  Top Layer w1.524: 63.576,106.959 64.606,105.929 Q1.3@66.314,105.929 ; S2.1@64.338,120.726 64.338,123.088 ; S1.1@64.338,126.822 64.338,123.088 ; D2.2@69.825,123.077 69.813,123.088 64.338,123.088
  Bottom Layer w0.152: v1(67.079,117.517) 67.079,119.962 v1(67.158,120.04)
  other v1: 51.435,118.72 52.26,119.045 50.8,119.278 51.537,119.583 52.299,119.634 52.222,120.167 51.003,120.294 51.867,120.701 51.13,121.92 51.695,122.157 51.562,122.758 64.821,122.809 63.906,122.834 67.513,123.012 66.878,123.038 65.938,123.063 51.257,123.114 64.846,123.571 63.932,123.647 64.694,124.485 63.906,124.511
ENCODER_CS_A: CON6.1 R48.2 XS5.40 | length 25.1
  Top Layer w0.152: XS5.40@98,110 98.973,110.973 115.57,110.973 116.701,112.104 R48.2@117.704,112.104 116.974,112.834 CON6.1@116.974,116.304
ENCODER_CS_B: CON6.2 R46.2 XS5.41 | length 32.1
  Top Layer w0.152: XS5.41@100,112 112.991,112 115.926,114.935 115.926,119.355 116.332,119.761 118.358,119.761 118.974,119.146 CON6.2@118.974,116.304 R46.2@118.974,112.104
ENCODER_CS_Z: CON6.3 R47.2 XS5.42 | length 36.7
  Top Layer w0.152: XS5.42@98,112 99.005,113.005 113.309,113.005 115.468,115.164 115.468,119.558 116.129,120.218 119.837,120.218 120.974,119.082 CON6.3@120.974,116.304 120.974,112.834 R47.2@120.244,112.104